# Altium PCB MiniPC.PcbDoc (part 6 of 23) (continued)
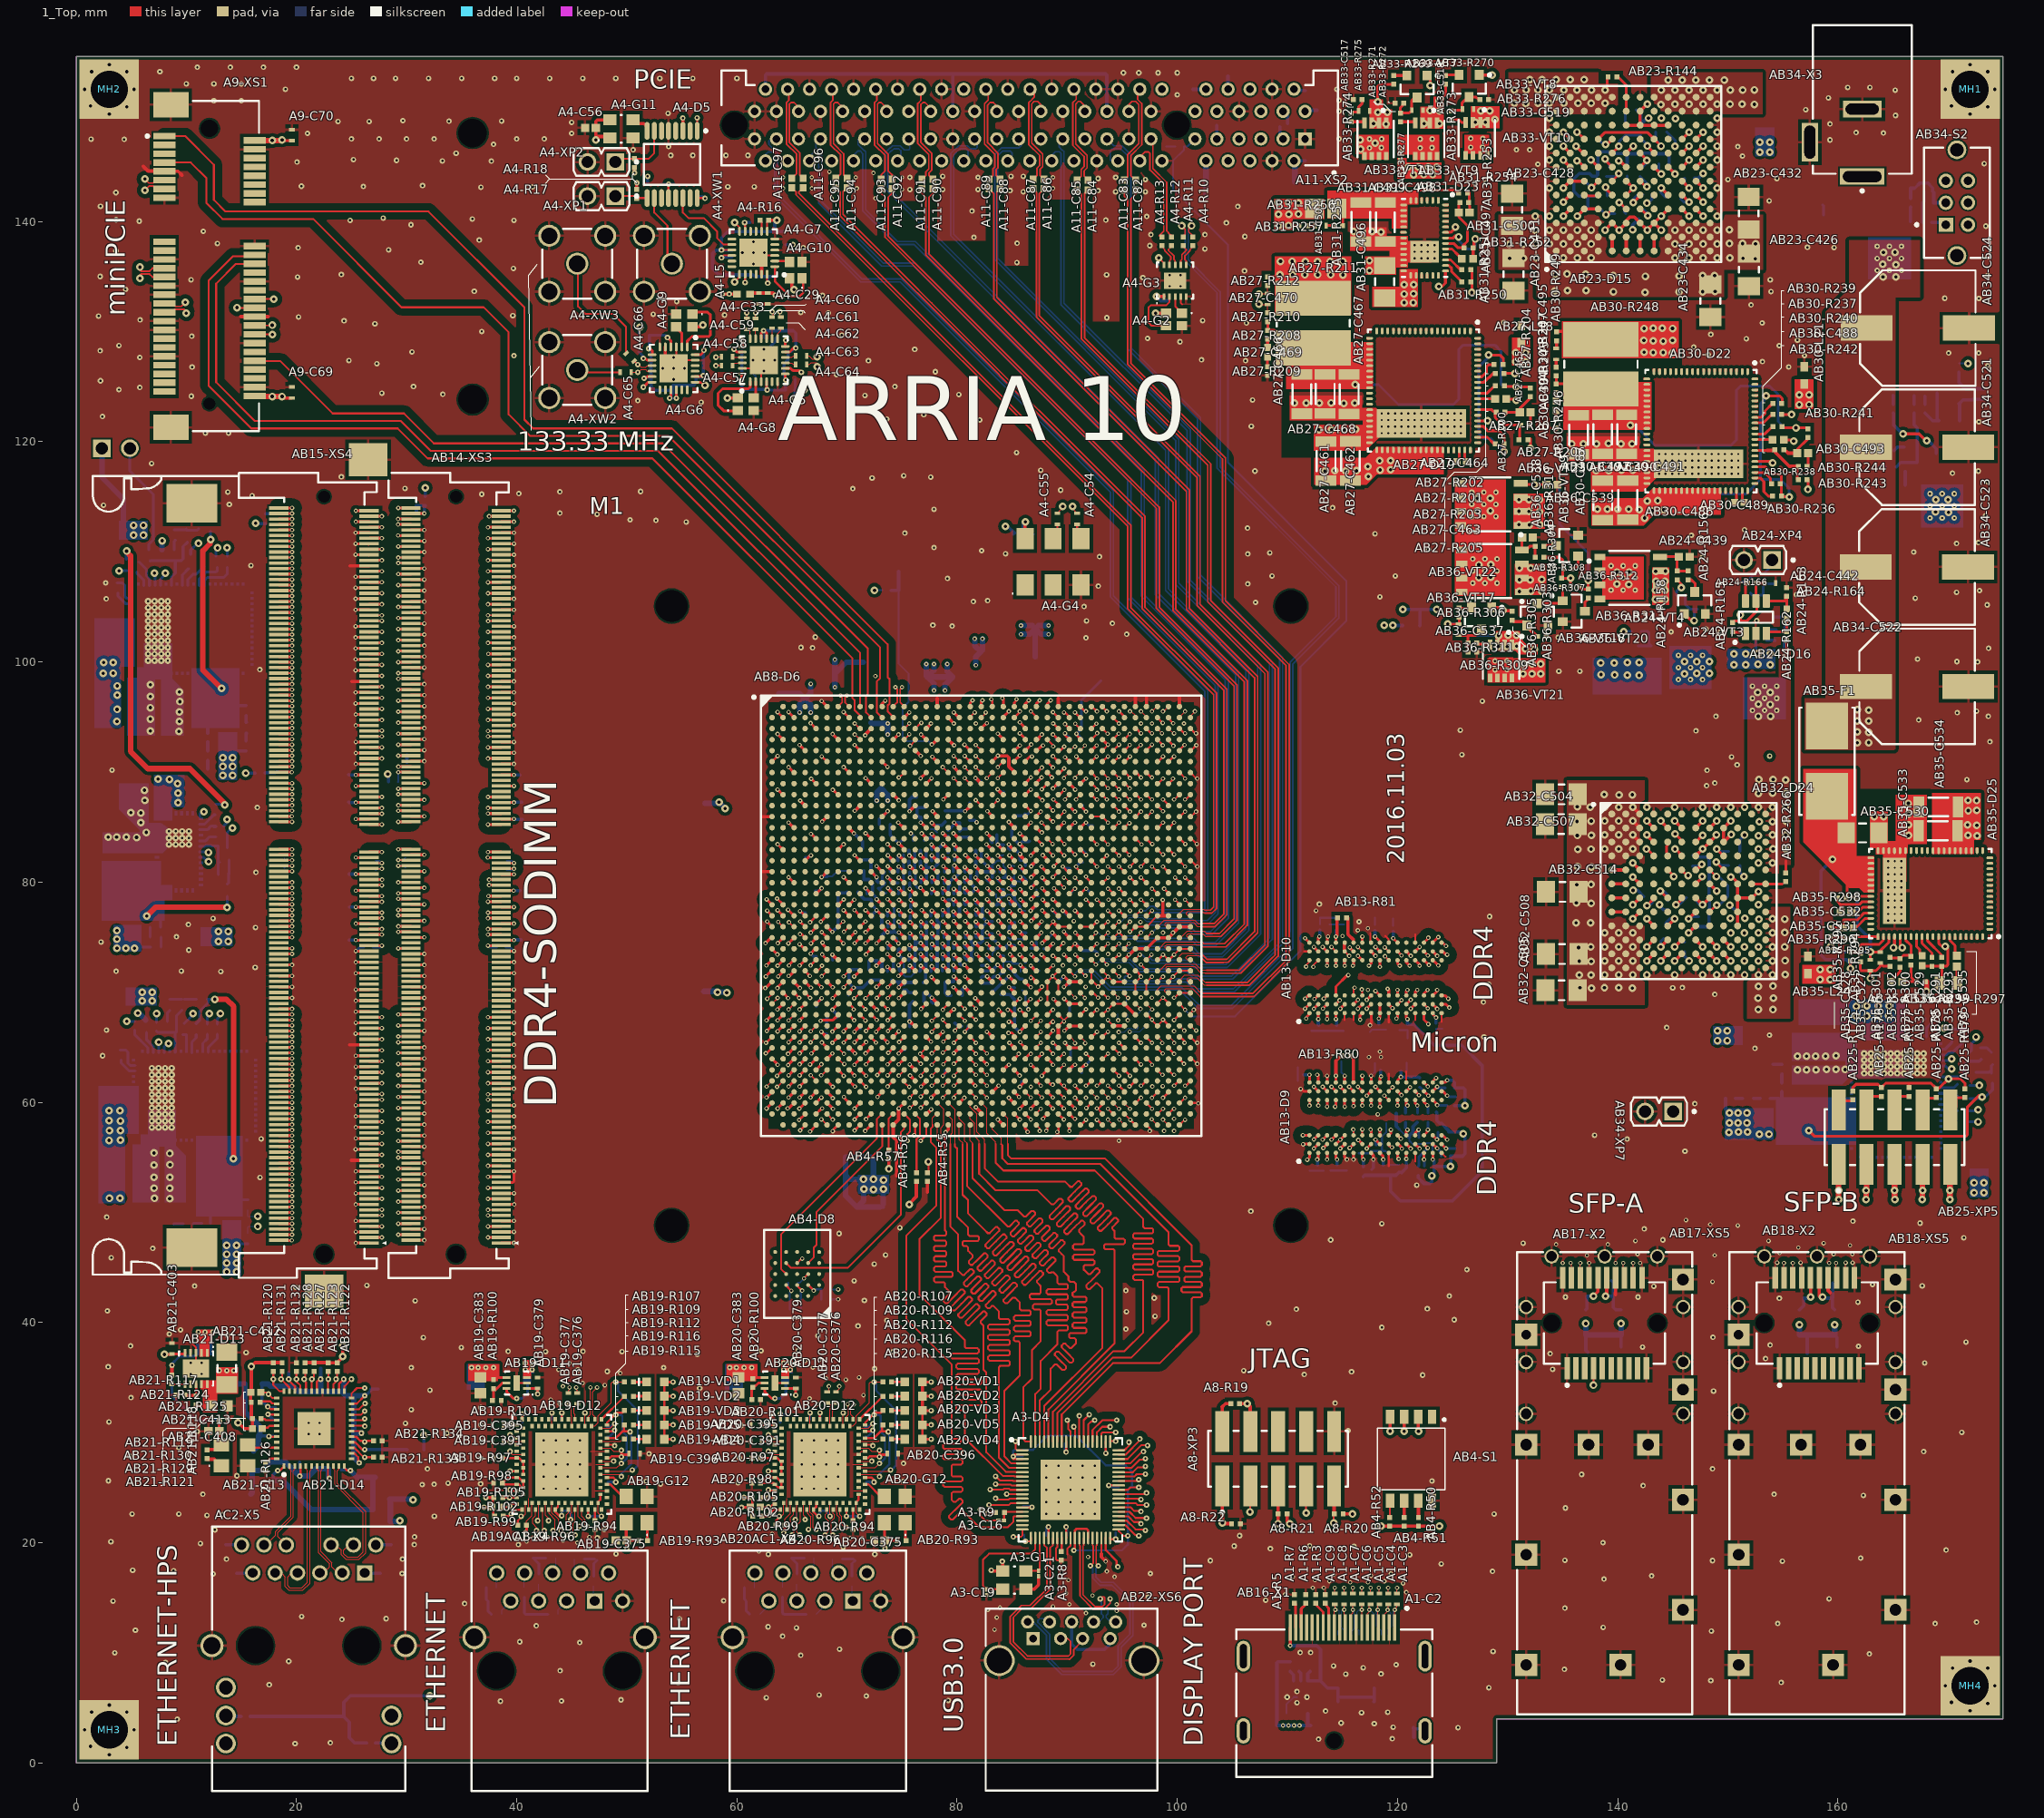
[diagram p0: 1_Top view]
## Part data (continued)
  AB2-C277: New_des=C277, Old_des=C432
  AB2-C278: New_des=C278, Old_des=C473
  AB2-C279: New_des=C279, Old_des=C453
  AB2-C280: New_des=C280, Old_des=C400
  AB2-C282: New_des=C282, Old_des=C433
  AB2-C283: New_des=C283, Old_des=C474
  AB2-C284: New_des=C284, Old_des=C454
  AB2-C285: New_des=C285, Old_des=C401
  AB2-C287: New_des=C287, Old_des=C434
  AB2-C288: New_des=C288, Old_des=C475
  AB2-C289: New_des=C289, Old_des=C455
  AB2-C290: New_des=C290, Old_des=C402
  AB2-C292: New_des=C292, Old_des=C435
  AB2-C293: New_des=C293, Old_des=C476
  AB2-C294: New_des=C294, Old_des=C456
  AB2-C295: New_des=C295, Old_des=C403
  AB2-C297: New_des=C297, Old_des=C436
  AB2-C298: New_des=C298, Old_des=C477
  AB2-C299: New_des=C299, Old_des=C457
  AB2-C300: New_des=C300, Old_des=C404
  AB2-C302: New_des=C302, Old_des=C437
  AB2-C303: New_des=C303, Old_des=C478
  AB2-C304: New_des=C304, Old_des=C405
  AB2-C306: New_des=C306, Old_des=C438
  AB2-C307: New_des=C307, Old_des=C479
  AB2-C308: New_des=C308, Old_des=C406
  AB2-C310: New_des=C310, Old_des=C439
  AB2-C311: New_des=C311, Old_des=C464
  AB2-C312: New_des=C312, Old_des=C440
  AB2-C313: New_des=C313, Old_des=C441
  AB2-C314: New_des=C314, Old_des=C442
  AB2-C315: New_des=C315, Old_des=C443
  AB2-C316: New_des=C316, Old_des=C458
  AB2-C317: New_des=C317, Old_des=C463
  AB2-C318: New_des=C318, Old_des=C480
  AB2-C319: New_des=C319, Old_des=C459
  AB2-C320: New_des=C320, Old_des=C444
  AB3-C321: New_des=C321, Old_des=C118
  AB3-C322: New_des=C322, Old_des=C120
  AB3-C323: New_des=C323, Old_des=C122
  AB3-C324: New_des=C324, Old_des=C124
  AB3-C325: New_des=C325, Old_des=C126
  AB3-C326: New_des=C326, Old_des=C128
  AB3-C327: New_des=C327, Old_des=C130
  AB3-C328: New_des=C328, Old_des=C119
  AB3-C329: New_des=C329, Old_des=C121
  AB3-C330: New_des=C330, Old_des=C123
  AB3-C331: New_des=C331, Old_des=C125
  AB3-C332: New_des=C332, Old_des=C127
  AB3-C333: New_des=C333, Old_des=C129
  AB13-C337: New_des=C337, Old_des=C267
  AB13-C338: New_des=C338, Old_des=C266
  AB13-C339: New_des=C339, Old_des=C282
  AB13-C340: New_des=C340, Old_des=C269
  AB13-C341: New_des=C341, Old_des=C271
  AB13-C342: New_des=C342, Old_des=C273
  AB13-C343: New_des=C343, Old_des=C275
  AB13-C344: New_des=C344, Old_des=C277
  AB13-C345: New_des=C345, Old_des=C279
  AB13-C346: New_des=C346, Old_des=C281
  AB13-C347: New_des=C347, Old_des=C264
  AB13-C348: New_des=C348, Old_des=C265
  AB13-C349: New_des=C349, Old_des=C268
  AB13-C350: New_des=C350, Old_des=C270
  AB13-C351: New_des=C351, Old_des=C272
  AB13-C352: New_des=C352, Old_des=C274
  AB13-C353: New_des=C353, Old_des=C276
  AB13-C354: New_des=C354, Old_des=C278
  AB13-C355: New_des=C355, Old_des=C280
A3-D4: library part E127, "32 Bit USB 3.0 to FIFO Bridge, 5 Gbps, 3 to 3.6 V, -40 to 85 degC, 76-Pin QFN, Pb-Free", ComponentLink1Description="Manufacturer URL", ComponentLink1URL=http://www.ftdichip.com/, ComponentLink2Description=Datasheet, ComponentLink2URL=http://www.ftdichip.com/Support/Documents/DataSheets/ICs/DS_FT600Q-FT601Q%20IC%20Datasheet.pdf, DatasheetVersion="Rev. 1.02, 02/2016", Mounting Technology="Surface Mount", New_des=D4, Old_des=U33, PackageDescription="76-Pin Quad Flat No-lead Package, Body 9 x 9 mm, Pitch 0.4 mm, Thermal Pad 5.45 x 5.45 mm", PackageReference=QFN-76, RoHSCompliant=false, UID=E127, Тип элемента="Преобразователь интерфейсов"
A3-G1 A4-G11: library part E128, "CMOS Compatible SMD Crystal Oscillator, 33 MHz, 2.5 V, -20 to 70 degC, 4-Pin SMD, RoHS, Tape and Reel", Manufacturer=Abracon, ComponentLink1Description="Manufacturer URL", ComponentLink1URL=http://www.abracon.com/, ComponentLink2Description=Datasheet, ComponentLink2URL=http://www.abracon.com/Oscillators/ASE2series.pdf, DatasheetVersion="Rev. Aug-14", Mounting Technology="Surface Mount", PackageDescription="4-Pin Surface Mount Device, Body 3.2 x 2.5 mm, Pitch 2.1 mm", PackageReference=ASE2, PartNumber=ASE2-33.000MHZ-ET, UID=E128, Тип элемента=Генератор
  A3-G1: New_des=G1, Old_des=X1
  A4-G11: New_des=G11, Old_des=Y5
A3-R8 AB32-R262 AB32-R264 AB32-R265: library part E85, "Chip Resistor, 1.65 KOhm, +/- 1%, 100 mW, -55 to 155 degC, 0402 (1005 Metric), RoHS, Tape and Reel", Case\/Package=0402, Case Code (Metric)=1005, Manufacturer="Basic Passives", Max Operating Temperature="155 degC", Min Operating Temperature="-55 degC", Package Quantity=10000, Power Rating="100 mW", Resistance="1.65 KOhm", Tolerance=1%, Voltage Rating="50 V", Case Code (Imperial)=0402, ComponentLink1Description="Manufacturer URL", ComponentLink1URL=http://www.panasonic.com/, ComponentLink2Description=Datasheet, ComponentLink2URL=http://industrial.panasonic.com/cdbs/www-data/pdf/RDA0000/AOA0000C86.pdf, DatasheetVersion=04/2015, Height="0.35 mm", Length="1 mm", Mount="Surface Mount", Mounting Technology="Surface Mount", PackageDescription="2-Pin Surface Mount Device, Body 1 x 0.5 mm", PackageReference=0402, Packaging="Tape and Reel", PartNumber=ERJ-2RKF1651X, Pins=2, REACH SVHC=Yes, RoHSCompliant=true, UID=E85, Width="0.5 mm", Тип элемента=Резистор
  A3-R8: New_des=R8, Old_des=R342
  AB32-R262: New_des=R262, Old_des=R150
  AB32-R264: New_des=R263, Old_des=R153
  AB32-R265: New_des=R264, Old_des=R154
A3-R9 AB4-R53 AB4-R54 AB4-R56 AB4-R57 AB4-R58 AB19-R93 AB19-R101 AB20-R93 AB20-R101 AB21-R117 AB21-R118 AB23-R140 AB23-R141 AB23-R146 AB23-R147 AB23-R148 AB23-R149 AB23-R150 AB23-R151 AB24-R153 AB24-R155 AB24-R157 AB24-R165 AB24-R166 AB25-R170 AB25-R183 AB25-R185 AB26-R190 AB26-R197 AB26-R199 AB27-R202 AB27-R210 AB27-R212 AB28-R216 AB28-R224 AB28-R227 AB29-R233 AB29-R235 AB30-R239 AB30-R247 AB30-R249 AB31-R255 AB31-R257 AB32-R263 AB32-R267 AB32-R268 AB34-R279 AB35-R294 AB35-R302 AB36-R303 AB36-R305: library part E60, "Chip Resistor, 10 KOhm, +/- 1%, 100 mW, -55 to 155 degC, 0402 (1005 Metric), RoHS, Tape and Reel", Case\/Package=0402, Case Code (Metric)=1005, Manufacturer="Basic Passives", Max Operating Temperature="155 degC", Min Operating Temperature="-55 degC", Package Quantity=10000, Power Rating="100 mW", Resistance="10 KOhm", Tolerance=1%, Voltage Rating="50 V", Case Code (Imperial)=0402, ComponentLink1Description="Manufacturer URL", ComponentLink1URL=http://www.panasonic.com/, ComponentLink2Description=Datasheet, ComponentLink2URL=http://industrial.panasonic.com/cdbs/www-data/pdf/RDA0000/AOA0000C86.pdf, DatasheetVersion=04/2015, Height="0.35 mm", Length="1 mm", Mount="Surface Mount", Mounting Technology="Surface Mount", PackageDescription="2-Pin Surface Mount Device, Body 1 x 0.5 mm", PackageReference=0402, Packaging="Tape and Reel", PartNumber=ERJ-2RKF1002X, Pins=2, Radiation Hardening=No, REACH SVHC=Yes, RoHSCompliant=true, UID=E60, Width="0.5 mm", Тип элемента=Резистор
  A3-R9: New_des=R9, Old_des=R343
  AB4-R53: New_des=R53, Old_des=R320
  AB4-R54: New_des=R54, Old_des=R322
  AB4-R56: New_des=R55, Old_des=R325
  AB4-R57: New_des=R57, Old_des=R324
  AB4-R58: New_des=R58, Old_des=R321
  AB19-R93 AB20-R93: New_des=R112, Old_des=R262
  AB19-R101 AB20-R101: New_des=R120, Old_des=R272
  AB21-R117: New_des=R136, Old_des=R316
  AB21-R118: New_des=R137, Old_des=R311
  AB23-R140: New_des=R161, Old_des=R162
  AB23-R141: New_des=R162, Old_des=R168
  AB23-R146: New_des=R164, Old_des=R165
  AB23-R147: New_des=R166, Old_des=R164
  AB23-R148: New_des=R167, Old_des=R158
  AB23-R149: New_des=R168, Old_des=R159
  AB23-R150: New_des=R169, Old_des=R160
  AB23-R151: New_des=R170, Old_des=R161
  AB24-R153: New_des=R172, Old_des=R127
  AB24-R155: New_des=R174, Old_des=R118
  AB24-R157: New_des=R176, Old_des=R119
  AB24-R165: New_des=R184, Old_des=R122
  AB24-R166: New_des=R185, Old_des=R123
  AB25-R170: New_des=R91, Old_des=R75
  AB25-R183: New_des=R104, Old_des=R65
  AB25-R185: New_des=R106, Old_des=R67
  AB26-R190: New_des=R190, Old_des=R60
  AB26-R197: New_des=R197, Old_des=R51
  AB26-R199: New_des=R199, Old_des=R53
  AB27-R202: New_des=R202, Old_des=R46
  AB27-R210: New_des=R210, Old_des=R45
  AB27-R212: New_des=R212, Old_des=R44
  AB28-R216: New_des=R217, Old_des=R33
  AB28-R224: New_des=R224, Old_des=R23
  AB28-R227: New_des=R227, Old_des=R25
  AB29-R233: New_des=R233, Old_des=R84
  AB29-R235: New_des=R235, Old_des=R82
  AB30-R239: New_des=R239, Old_des=R101
  AB30-R247: New_des=R247, Old_des=R99
  AB30-R249: New_des=R249, Old_des=R98
  AB31-R255: New_des=R255, Old_des=R106
  AB31-R257: New_des=R257, Old_des=R104
  AB32-R263: New_des=R265, Old_des=R151
  AB32-R267: New_des=R267, Old_des=R148
  AB32-R268: New_des=R268, Old_des=R147
  AB34-R279: New_des=R279, Old_des=R140
  AB35-R294: New_des=R294, Old_des=R180
  AB35-R302: New_des=R302, Old_des=R175
  AB36-R303: New_des=R303, Old_des=R9
  AB36-R305: New_des=R305, Old_des=R7
A4-C37 AB17-C371 AB17-C374 AB18-C371 AB18-C374 AB19-C378 AB20-C378 AB21-C401 AB21-C402 AB21-C404: library part E25, "Chip Capacitor, 10 uF, +/- 10%, 16 V, -55 to 85 degC, 0805 (2012 Metric), RoHS, Tape and Reel", Capacitance="10 uF", Case\/Package=0805, Case Code (Metric)=2012, Max Operating Temperature="85 degC", Min Operating Temperature="-55 degC", Package Quantity=1, Tolerance=10%, Type (Capacitors)=X5R, Voltage Rating="16 V", Case Code (Imperial)=0805, ComponentLink1Description="Manufacturer URL", ComponentLink1URL=http://www.tdk.com/, ComponentLink2Description=Datasheet, ComponentLink2URL=https://product.tdk.com/info/en/catalog/datasheets/mlcc_commercial_general_en.pdf, DatasheetVersion=03/2015, Height="0.85 mm", Length="2 mm", Mount="Surface Mount", Mounting Technology="Surface Mount", PackageDescription="2-Pin Surface Mount Device, Body 2 x 1.25 mm", PackageReference=0805, Packaging="Tape and Reel", Pins=2, REACH SVHC="No SVHC", RoHSCompliant=true, UID=E25, Voltage Rating (DC)="16 V", Width="1.25 mm", Тип элемента=Конденсатор
  A4-C37: New_des=C37, Old_des=C549
  AB17-C371 AB18-C371: New_des=C380, Old_des=C552
  AB17-C374 AB18-C374: New_des=C383, Old_des=C554
  AB19-C378 AB20-C378: New_des=C387, Old_des=C330
  AB21-C401: New_des=C410, Old_des=C370
  AB21-C402: New_des=C411, Old_des=C376
  AB21-C404: New_des=C413, Old_des=C377
A4-C56 AB19-C375 AB19-C387 AB19-C394 AB19-C399 AB19-C400 AB20-C375 AB20-C387 AB20-C394 AB20-C399 AB20-C400 AB21-C408 AB24-C436 AB24-C439 AB36-C538 AB36-C539 AC2-C540 AC2-C541 AC2-C542 AC2-C543: library part E3, "Chip Capacitor, 10 nF, +/- 10%, 50 V, -55 to 125 degC, 0402 (1005 Metric), RoHS, Tape and Reel", Capacitance="10 nF", Case\/Package=0402, Case Code (Metric)=1005, Manufacturer="Basic Passives", Max Operating Temperature="125 degC", Min Operating Temperature="-55 degC", Package Quantity=10000, Tolerance=10%, Type (Capacitors)=X7R, Voltage Rating="50 V", Case Code (Imperial)=0402, ComponentLink1Description="Manufacturer URL", ComponentLink1URL=http://www.murata.com/, ComponentLink2Description=Datasheet, ComponentLink2URL=http://search.murata.co.jp/Ceramy/image/img/A01X/G101/ENG/GRM155R71H103KA88-01.pdf, DatasheetVersion=02/2016, Height="0.5 mm", Lead Pitch=2mm, Length="1 mm", Mount="Surface Mount", Mounting Technology="Surface Mount", PackageDescription="2-Pin Surface Mount Device, Body 1 x 0.5 mm", PackageReference=0402, Packaging="Tape and Reel", PartNumber=GRM155R71H103KA88D, Pins=2, Radiation Hardening=No, REACH SVHC="No SVHC", RoHSCompliant=true, UID=E3, Voltage Rating (DC)="50 V", Width="0.5 mm", Тип элемента=Конденсатор
  A4-C56: New_des=C56, Old_des=C543
  AB19-C375 AB20-C375: New_des=C384, Old_des=C318
  AB19-C387 AB20-C387: New_des=C396, Old_des=C310
  AB19-C394 AB20-C394: New_des=C403, Old_des=C311
  AB19-C399 AB20-C399: New_des=C406, Old_des=C312
  AB19-C400 AB20-C400: New_des=C409, Old_des=C314
  AB21-C408: New_des=C417, Old_des=C366
  AB24-C436: New_des=C445, Old_des=C70
  AB24-C439: New_des=C448, Old_des=C67
  AB36-C538: New_des=C538, Old_des=C3
  AB36-C539: New_des=C539, Old_des=C2
  AC2-C540: ClassName=AB21, New_des=C540, Old_des=C364
  AC2-C541: ClassName=AB21, New_des=C541, Old_des=C363
  AC2-C542: ClassName=AB21, New_des=C542, Old_des=C362
  AC2-C543: ClassName=AB21, New_des=C543, Old_des=C365
A4-D5: library part E125, "Single-Ended Multiplexer, 2.375 to 3.465 V, -40 to 85 degC, 16-Pin TSSOP, RoHS, Tube", Manufacturer=IDT, ComponentLink1Description="Manufacturer URL", ComponentLink1URL=http://www.idt.com/, ComponentLink2Description=Datasheet, ComponentLink2URL=https://datasheet.ciiva.com/6676/idt-83054i-dst-20091106-6676576.pdf, DatasheetVersion="Rev. C", Mounting Technology="Surface Mount", New_des=D5, Old_des=U31, PackageDescription="16-Pin Thin Shrink Small Outline Package, Body 5 x 4.4 mm, Pitch 0.65 mm", PackageReference=TSSOP-16, PartNumber=ICS83054AGILF, UID=E125, Тип элемента=Мультиплексор
A4-G2 A4-G8 A4-G9 A4-G10: library part E129, "Range Crystal Unit, 25 MHz, -40 to 85 degC, 4-Pin SMD, RoHS, Tape and Reel", ComponentLink1Description="Manufacturer URL", ComponentLink1URL=https://www.eea.epson.com/, ComponentLink2Description=Datasheet, ComponentLink2URL=https://support.epson.biz/td/api/doc_check.php?dl=brief_FA-128_en.pdf, DatasheetVersion="Rev. Feb-15", Mounting Technology="Surface Mount", PackageDescription="4-Pin Surface Mount Device, Body 1.6 x 2 mm, Pitch 1.45 mm", PartNumber="FA-128 25.0000MB-C", UID=E129, Тип элемента=Генератор
  A4-G2: New_des=G2, Old_des=Y3
  A4-G8: New_des=G8, Old_des=Y1
  A4-G9: New_des=G9, Old_des=Y2
  A4-G10: New_des=G10, Old_des=Y4
A4-G3: library part E123, "PCI-Express Gen 1 Dual Output Clock Generator, 3.13 to 3.46 V, -40 to 85 degC, 10-Pin TDFN, RoHS, Tube", Manufacturer="Silicon Labs", Code_IPC=J-STD-020, Code_JEDEC=MO-229, ComponentLink1Description="Manufacturer URL", ComponentLink1URL=http://www.silabs.com/, ComponentLink2Description=Datasheet, ComponentLink2URL=http://www.silabs.com/Support%20Documents/TechnicalDocs/Si52112-A1-A2.pdf, DatasheetVersion="Rev. 1.2", Mounting Technology="Surface Mount", New_des=G3, Old_des=U29, PackageDescription="10-Pin Small Outline Non-Lead, Body 3.00 x 3.00 mm, Pitch 0.50 mm", PackageReference=TDFN-10, PartNumber=Si52112-A1-GM2, UID=E123, Тип элемента="Сдвоенный генератор"
A4-G4: library part E126, "Dual Frequency Voltage-Controlled Crystal Oscillator (VCXO), LVDS, 2.5 V, 100 KHz to 250 MHz, -40 to 85 degC, 6-Pin DFN, RoHS, Tray", Manufacturer="Silicon Labs", ComponentLink1Description="Manufacturer URL", ComponentLink1URL=http://www.silabs.com/, ComponentLink2Description=Datasheet, ComponentLink2URL=http://www.silabs.com/Support%20Documents/TechnicalDocs/Si516.pdf, DatasheetVersion="Rev. 1.0", Mounting Technology="Surface Mount", New_des=G4, Old_des=U32, PackageDescription="6-Pin Small Outline No-lead, Body 5 x 7 mm, Pitch 2.54 mm", PackageReference=DFN-6, PartNumber=516FHA000132AAG, UID=E126, Тип элемента="Сдвоенный ГУН"
A4-G5 A4-G6: library part E122, "I2C-Programmable Any-Frequency, Any-Output Quad Clock Generator, 1.8 / 2.5 / 3.3 V, 0.16 to 350 MHz Output, -40 to 85 degC, 24-Pin QFN, RoHS", Manufacturer="Silicon Labs", Code_IPC=J-STD-020, ComponentLink1Description="Manufacturer URL", ComponentLink1URL=http://www.silabs.com/, ComponentLink2Description=Datasheet, ComponentLink2URL=https://www.silabs.com/Support%20Documents/TechnicalDocs/Si5338.pdf, DatasheetVersion="Rev. 1.6", Mounting Technology="Surface Mount", PackageDescription="24-Pin Quad Flat No-lead Package, Body 4 x 4 mm, Pitch 0.5 mm", PackageReference=QFN-24, PartNumber=Si5338B-B03799-GM, UID=E122, Тип элемента="Программируемый генератор"
  A4-G5: New_des=G5, Old_des=U27
  A4-G6: New_des=G6, Old_des=U28
A4-G7: library part E124, "I2C-Programmable Any-Frequency, Any-Output Quad Clock Generator, 1.8 / 2.5 / 3.3 V, 0.16 to 200 MHz Output, -40 to 85 degC, 24-Pin QFN, RoHS", Manufacturer="Silicon Labs", Code_IPC=J-STD-020, ComponentLink1Description="Manufacturer URL", ComponentLink1URL=http://www.silabs.com/, ComponentLink2Description=Datasheet, ComponentLink2URL=https://www.silabs.com/Support%20Documents/TechnicalDocs/Si5338.pdf, DatasheetVersion="Rev. 1.6", Mounting Technology="Surface Mount", New_des=G7, Old_des=U30, PackageDescription="24-Pin Quad Flat No-lead Package, Body 4 x 4 mm, Pitch 0.5 mm", PackageReference=QFN-24, PartNumber=Si5338C-B03798-GM, UID=E124, Тип элемента="Программируемый генератор"
A4-L1: library part E46, "Chip Ferrite Bead for General Use, 220 Ohm, 450 mA, -55 to 125 degC, 1 x 0.5 x 0.55 mm SMD, Tape and Reel", DC Resistance="0.29 Ohm Max.", Manufacturer=Murata, Operating Temperature Range="-55 to 125 degC", Rated Current="450 mA", ComponentLink1Description="Manufacturer URL", ComponentLink1URL=http://www.murata.com/, ComponentLink2Description=Datasheet, ComponentLink2URL=http://www.murata.com/products/catalog/pdf/c31e.pdf, ComponentLink3Description="Package Specification", ComponentLink3URL=http://www.murata.com/products/catalog/pdf/c31e.pdf, DatasheetVersion=08/2013, Impedance (at 100 MHz)="220 Ohm +/- 25%", Mounting Technology="Surface Mount", New_des=L1, Old_des=L17, PackageDescription="2-Pin Chip, Body 1 x 0.5 mm", PackageReference=BLM15-2, Packing="Tape and Reel", PartNumber=BLM15AG221SN1J, UID=E46, Тип элемента="Ферритовый дроссель"
A4-L2 A4-L4: library part E47, "Chip Bead, 220 Ohm, +/- 25 %, 100 MHz, 300 mA, -55 to 125 degC, 0402 (1005 Metric), RoHS", Case/Package=0402, Case Code (Metric)=1005, Current Rating="200 mA", Max Current Rating="450 mA", Max Operating Temperature="125 degC", Min Operating Temperature="-55 degC", Package Quantity=10000, Resistance="220 Ohm", Tolerance=25%, Case Code (Imperial)=0402, ComponentLink1Description="Manufacturer URL", ComponentLink1URL=http://www.murata.com/, ComponentLink2Description=Datasheet, ComponentLink2URL=https://datasheet.ciiva.com/11800/0900766b811b5866-11800858.pdf, DatasheetVersion=03/2011, Height="0.5 mm", Length="1 mm", Mounting Technology="Surface Mount", PackageDescription="2-Pin Surface Mount Device, Body 1 x 0.5 mm", PartNumber=BLM15AG221SN1x, Radiation Hardening=No, REACH SVHC="No SVHC", RoHSCompliant=True, UID=E47, Width="0.5 mm", Тип элемента="Ферритовый дроссель"
  A4-L2: New_des=L2, Old_des=L18
  A4-L4: New_des=L3, Old_des=L22
A4-L3 A4-L5 A4-L6: library part E48, "SMD EMI Suppression Ferrite Bead WE-CBF, Z = 220 Ohm", ComponentLink1Description="Manufacturer Link", ComponentLink1URL=http://www.we-online.com, ComponentLink2Description=Datasheet, ComponentLink2URL=http://www.we-online.de/katalog/media/pdf/742792780.pdf, DatasheetVersion="ver 4, Jul-2009", Impedance="220 Ohm", PackageDescription="Chip Inductor, 2-Leads, Body 1.0 x 0.5 mm", PackageReference=SMD-0402, PackageVersion=2009, UID=E48, Тип элемента="Ферритовый дроссель"
  A4-L3: New_des=L4, Old_des=L19
  A4-L5: New_des=L5, Old_des=L20
  A4-L6: New_des=L6, Old_des=L21
A4-R14 A4-R15 A11-R23 AB19-R94 AB19-R96 AB19-R99 AB19-R105 AB20-R94 AB20-R96 AB20-R99 AB20-R105 AB21-R120 AB21-R122 AB21-R123 AB21-R127 AB21-R128 AB21-R129 AB21-R130 AB21-R131 AB21-R132 AB21-R133 AB21-R134: library part E99, "Chip Resistor, 4.7 KOhm, +/- 1%, 0.1 W, -55 to 155 degC, 0402 (1005 Metric), RoHS, Tape and Reel", Case\/Package=0402, Case Code (Metric)=1005, Max Operating Temperature="155 degC", Min Operating Temperature="-55 degC", Package Quantity=1, Power Rating="100 mW", Resistance="4.7 KOhm", Tolerance=1%, Voltage Rating="50 V", Case Code (Imperial)=0402, ComponentLink1Description="Manufacturer URL", ComponentLink1URL=http://www.panasonic.com/, ComponentLink2Description=Datasheet, ComponentLink2URL=http://industrial.panasonic.com/cdbs/www-data/pdf/RDA0000/AOA0000C86.pdf, DatasheetVersion=04/2015, Height="0.35 mm", Length="1 mm", Mount="Surface Mount", Mounting Technology="Surface Mount", PackageDescription="2-Pin Surface Mount Device, Body 1 x 0.5 mm", PackageReference=0402, Packaging="Cut Tape", PartNumber=ERJ-2RKF4701X, Pins=2, Radiation Hardening=No, REACH SVHC=Yes, RoHSCompliant=true, UID=E99, Width="0.5 mm", Тип элемента=Резистор
  A4-R14: New_des=R14, Old_des=R333
  A4-R15: New_des=R15, Old_des=R334
  A11-R23: New_des=R23, Old_des=R332
  AB19-R94 AB20-R94: New_des=R113, Old_des=R264
  AB19-R96 AB20-R96: New_des=R115, Old_des=R263
  AB19-R99 AB20-R99: New_des=R118, Old_des=R259
  AB19-R105 AB20-R105: New_des=R124, Old_des=R261
  AB21-R120: New_des=R139, Old_des=R302
  AB21-R122: New_des=R141, Old_des=R303
  AB21-R123: New_des=R143, Old_des=R306
  AB21-R127: New_des=R145, Old_des=R308
  AB21-R128: New_des=R147, Old_des=R310
  AB21-R129: New_des=R148, Old_des=R313
  AB21-R130: New_des=R149, Old_des=R305
  AB21-R131: New_des=R150, Old_des=R312
  AB21-R132: New_des=R151, Old_des=R309
  AB21-R133: New_des=R152, Old_des=R307
  AB21-R134: New_des=R153, Old_des=R304
A4-R16 A4-R17 A4-R18 A8-R19 A8-R20 A8-R21 A8-R22 AB4-R50 AB4-R51 AB4-R52 AB21-R124 AB24-R156 AB24-R164 AB34-R278 AB34-R283 AB36-R310 AB36-R313: library part E59, "Chip Resistor, 1 KOhm, +/- 1%, 100 mW, -55 to 155 degC, 0402 (1005 Metric), RoHS, Tape and Reel", Case\/Package=0402, Case Code (Metric)=1005, Manufacturer="Basic Passives", Max Operating Temperature="155 degC", Min Operating Temperature="-55 degC", Package Quantity=10000, Power Rating="100 mW", Resistance="1 KOhm", Tolerance=1%, Voltage Rating="50 V", Case Code (Imperial)=0402, ComponentLink1Description="Manufacturer URL", ComponentLink1URL=http://www.panasonic.com/, ComponentLink2Description=Datasheet, ComponentLink2URL=http://industrial.panasonic.com/cdbs/www-data/pdf/RDA0000/AOA0000C86.pdf, DatasheetVersion=04/2015, Height="0.35 mm", Length="1 mm", Mount="Surface Mount", Mounting Technology="Surface Mount", PackageDescription="2-Pin Surface Mount Device, Body 1 x 0.5 mm", PackageReference=0402, Packaging="Tape and Reel", PartNumber=ERJ-2RKF1001X, Pins=2, Radiation Hardening=No, REACH SVHC=Yes, RoHSCompliant=true, UID=E59, Width="0.5 mm", Тип элемента=Резистор
  A4-R16: New_des=R16, Old_des=R339
  A4-R17: New_des=R17, Old_des=R340
  A4-R18: New_des=R18, Old_des=R341
  A8-R19: New_des=R19, Old_des=R329
  A8-R20: New_des=R20, Old_des=R330
  A8-R21: New_des=R21, Old_des=R331
  A8-R22: New_des=R22, Old_des=R328
  AB4-R50: New_des=R50, Old_des=R319
  AB4-R51: New_des=R51, Old_des=R318
  AB4-R52: New_des=R52, Old_des=R317
  AB21-R124: New_des=R142, Old_des=R315
  AB24-R156: New_des=R175, Old_des=R117
  AB24-R164: New_des=R183, Old_des=R121
  AB34-R278: New_des=R278, Old_des=R139
  AB34-R283: New_des=R283, Old_des=R138
  AB36-R310: New_des=R311, Old_des=R11
  AB36-R313: New_des=R313, Old_des=R6
A4-XP1 A4-XP2 AB24-XP4 AB28-XP6 AB34-XP7: library part E32, "Male Header, Pitch 2.54 mm, 1 x 2 Position, Height 8.54 mm, Tail Length 3 mm, -40 to 105 degC, RoHS, Bulk", Manufacturer="Wuerth Elektronik", ComponentLink1Description="Manufacturer URL", ComponentLink1URL=https://www.we-online.com/, ComponentLink2Description=Datasheet, ComponentLink2URL=http://katalog.we-online.de/em/datasheet/6130xx11121.pdf, DatasheetVersion="Rev. J", Mounting Technology="Through Hole", PackageDescription="Male Header, Pitch 2.54 mm, 1 x 2 Position, Height 8.54 mm, Tail Length 3 mm", PackageReference=61300211121, PartNumber="613 002 111 21", UID=E32, Тип элемента=Соединитель
  A4-XP1: New_des=XP1, Old_des=J18
  A4-XP2: New_des=XP2, Old_des=J19
  AB24-XP4: New_des=XP5, Old_des=J3
  AB28-XP6: New_des=XP6, Old_des=J1
  AB34-XP7: New_des=XP7, Old_des=J5
A4-XW1 A4-XW2 A4-XW3: library part E42, "SMA Connector, Pitch 2.54 mm, 1 Position, Height 9.5 mm, Tail Length 4 mm, RoHS", Manufacturer="Lighthorse Technologies Inc.", ComponentLink1Description="Manufacturer URL", ComponentLink1URL=http://www.rfconnector.com, ComponentLink2Description=Datasheet, ComponentLink2URL=http://rfconnector.com/sheets/SASF54GT.pdf, DatasheetVersion="Rev. May-99", Mounting Technology="Through Hole", PackageDescription="SMA Connector, Pitch 2.54 mm, 1 Position, Height 9.5 mm, Tail Length 4 mm", PackageReference=LTI-SASF54GT, PartNumber=LTI-SASF54GT, UID=E42, Тип элемента="Соединитель ВЧ"
  A4-XW1: New_des=XW1, Old_des=J17
  A4-XW2: New_des=XW2, Old_des=J15
  A4-XW3: New_des=XW3, Old_des=J16
A8-XP3 AB25-XP5: library part E39, "Male Header, Pitch 2.54 mm, 2 x 5 Position, Height 9.65 mm, -55 to 105 degC, RoHS, Tape and Reel", Max Operating Temperature="105 degC", Min Operating Temperature="-55 degC", ComponentLink1Description="Manufacturer URL", ComponentLink1URL=http://www.samtec.com/, ComponentLink2Description=Datasheet, ComponentLink2URL=http://suddendocs.samtec.com/catalog_english/tsm.pdf, ComponentLink3Description="Package Specification", ComponentLink3URL=http://suddendocs.samtec.com/prints/tsm-dv-footprint.pdf, DatasheetVersion="Rev. 31DEC15", Height="9.65 mm", Length="12.7 mm", Mount="Surface Mount", Mounting Technology="Surface Mount", PackageDescription="Male Header, Pitch 2.54 mm, 2 x 5 Position, Height 9.65 mm", Packaging="Tape and Reel", PartNumber=TSM-105-01-T-DV-TR, Pins=10, Radiation Hardening=No, REACH SVHC="No SVHC", RoHSCompliant=True, UID=E39, Тип элемента=Соединитель
  A8-XP3: New_des=XP3, Old_des=J12
  AB25-XP5: New_des=XP4, Old_des=J2
A9-XS1: library part E40, "Board-to-Board Connector, SMT, Right Angle, Pitch 0.8mm, 52-Position, Female", Package Reference=BTB-SM0-8-2H52F, ClassName="Board Template Connector", ComponentLink1Description="Manufacturer URL", ComponentLink1URL=https://www.te.com/, ComponentLink2Description=Datasheet, ComponentLink2URL=https://www.te.com/commerce/DocumentDelivery/DDEController?Action=showdoc&DocId=Customer+Drawing%7F292443%7FC1%7Fpdf%7FEnglish%7FENG_CD_292443_C1.pdf%7F292443-1, Datasheet Version=Oct-2006, Mating Connector=PCIeMini-CN-2S-M-R52, New_des=XS1, Old_des=J13, Publisher=Altium, System=Connector, UID=E40, Тип элемента=Соединитель
A11-C71 AB19-C381 AB20-C381 AB21-C405 AB21-C409 AB21-C412 AB21-C418 AB21-C419 AB21-C422 AB23-C423 AB23-C424 AB25-C443 AB25-C444 AB26-C452 AB26-C453 AB28-C471 AB28-C472 AB29-C480 AB31-C496 AB32-C502 AB32-C503 AB35-C530: library part E5, "Chip Capacitor, 22 uF, +/- 10%, 25 V, -55 to 85 degC, 1206 (3216 Metric), RoHS, Tape and Reel", Capacitance="22 uF", Case\/Package=1206, Case Code (Metric)=3216, Max Operating Temperature="85 degC", Min Operating Temperature="-55 degC", Package Quantity=2000, Tolerance=10%, Type (Capacitors)=X5R, Voltage Rating="25 V", Case Code (Imperial)=1206, ComponentLink1Description="Manufacturer URL", ComponentLink1URL=http://www.murata.com/, ComponentLink2Description=Datasheet, ComponentLink2URL=http://search.murata.co.jp/Ceramy/image/img/A01X/G101/ENG/GRM31CR61E226KE15-01.pdf, DatasheetVersion=03/2016, Height="1.6 mm", Length="3.2 mm", Mount="Surface Mount", Mounting Technology="Surface Mount", PackageDescription="2-Pin Surface Mount Device, Body 3.2 x 1.6 mm", PackageReference=1206, Packaging="Tape and Reel", PartNumber=GRM31CR61E226KE15L, Pins=2, Radiation Hardening=No, REACH SVHC="No SVHC", RoHSCompliant=true, UID=E5, Voltage Rating (DC)="25 V", Width="1.6 mm", Тип элемента=Конденсатор
  A11-C71: New_des=C71, Old_des=C500
  AB19-C381 AB20-C381: New_des=C391, Old_des=C328
  AB21-C405: New_des=C414, Old_des=C385
  AB21-C409: New_des=C418, Old_des=C378
  AB21-C412: New_des=C421, Old_des=C374
  AB21-C418: New_des=C427, Old_des=C371
  AB21-C419: New_des=C428, Old_des=C381
  AB21-C422: New_des=C431, Old_des=C367
  AB23-C423: New_des=C432, Old_des=C99
  AB23-C424: New_des=C433, Old_des=C100
  AB25-C443: New_des=C363, Old_des=C37
  AB25-C444: New_des=C364, Old_des=C38
  AB26-C452: New_des=C452, Old_des=C28
  AB26-C453: New_des=C453, Old_des=C29
  AB28-C471: New_des=C471, Old_des=C9
  AB28-C472: New_des=C472, Old_des=C10
  AB29-C480: New_des=C480, Old_des=C45
  AB31-C496: New_des=C496, Old_des=C61
  AB32-C502: New_des=C502, Old_des=C85
  AB32-C503: New_des=C503, Old_des=C86
  AB35-C530: New_des=C530, Old_des=C116
A11-C81 AB1-C106 AB1-C107 AB1-C108 AB1-C109 AB1-C120 AB1-C121 AB1-C132 AB1-C133 AB1-C144 AB1-C145 AB1-C156 AB1-C157 AB1-C167 AB1-C168 AB1-C178 AB1-C179 AB1-C188 AB1-C189 AB2-C231 AB23-C425 AB23-C426 AB23-C428 AB23-C429 AB23-C431 AB23-C432 AB23-C434 AB32-C504 AB32-C505 AB32-C507 AB32-C508 AB32-C509 AB32-C510 AB32-C512 AB32-C514: library part E14, "Chip Capacitor, 100 uF, +/- 20%, 6.3 V, -55 to 85 degC, 1206 (3216 Metric), RoHS, Tape and Reel", Capacitance="100 uF", Case\/Package=1206, Case Code (Metric)=3216, Max Operating Temperature="85 degC", Min Operating Temperature="-55 degC", Package Quantity=2000, Tolerance=20%, Type (Capacitors)=X5R, Voltage Rating="6.3 V", Case Code (Imperial)=1206, ComponentLink1Description="Manufacturer URL", ComponentLink1URL=http://www.murata.com/, ComponentLink2Description=Datasheet, ComponentLink2URL=http://psearch.en.murata.com/capacitor/product/GRM31CR60J107ME39%23.pdf, DatasheetVersion=09/2016, Height="1.6 mm", Length="3.2 mm", Mount="Surface Mount", Mounting Technology="Surface Mount", PackageDescription="2-Pin Surface Mount Device, Body 3.2 x 1.6 mm", PackageReference=1206, Packaging="Tape and Reel", PartNumber=GRM31CR60J107ME39L, Pins=2, Radiation Hardening=No, REACH SVHC="No SVHC", RoHSCompliant=true, UID=E14, Voltage Rating (DC)="6.3 V", Width="1.6 mm", Тип элемента=Конденсатор
  A11-C81: New_des=C81, Old_des=C509
  AB1-C106: New_des=C98, Old_des=C132
  AB1-C107: New_des=C99, Old_des=C140
  AB1-C108: New_des=C108, Old_des=C142
  AB1-C109: New_des=C109, Old_des=C161
  AB1-C120: New_des=C112, Old_des=C133
  AB1-C121: New_des=C113, Old_des=C141
  AB1-C132: New_des=C124, Old_des=C134
  AB1-C133: New_des=C125, Old_des=C147
  AB1-C144: New_des=C136, Old_des=C135
  AB1-C145: New_des=C137, Old_des=C148
  AB1-C156: New_des=C148, Old_des=C136
  AB1-C157: New_des=C149, Old_des=C149
  AB1-C167: New_des=C159, Old_des=C137
  AB1-C168: New_des=C160, Old_des=C150
  AB1-C178: New_des=C170, Old_des=C138
  AB1-C179: New_des=C171, Old_des=C151
  AB1-C188: New_des=C180, Old_des=C139
  AB1-C189: New_des=C181, Old_des=C152
  AB2-C231: New_des=C231, Old_des=C423
  AB23-C425: New_des=C434, Old_des=C96
  AB23-C426: New_des=C435, Old_des=C102
  AB23-C428: New_des=C437, Old_des=C97
  AB23-C429: New_des=C438, Old_des=C103
  AB23-C431: New_des=C440, Old_des=C98
  AB23-C432: New_des=C441, Old_des=C104
  AB23-C434: New_des=C443, Old_des=C105
  AB32-C504: New_des=C504, Old_des=C82
  AB32-C505: New_des=C505, Old_des=C89
  AB32-C507: New_des=C507, Old_des=C83
  AB32-C508: New_des=C508, Old_des=C90
  AB32-C509: New_des=C509, Old_des=C84
  AB32-C510: New_des=C510, Old_des=C91
  AB32-C512: New_des=C512, Old_des=C92
  AB32-C514: New_des=C514, Old_des=C93
A11-C82 A11-C83 A11-C84 A11-C85 A11-C86 A11-C87 A11-C88 A11-C89 A11-C90 A11-C91 A11-C92 A11-C93 A11-C94 A11-C95 A11-C96 A11-C97 AB25-C446 AB25-C450 AB26-C455 AB26-C459 AB27-C464 AB27-C469 AB28-C474 AB28-C478 AB30-C489 AB30-C494 AB35-C531: library part E7, "Chip Capacitor, 220 nF, +/- 10%, 10 V, -55 to 85 degC, 0402 (1005 Metric), RoHS, Tape and Reel", Capacitance="220 nF", Case\/Package=0402, Case Code (Metric)=1005, Manufacturer="Basic Passives", Max Operating Temperature="85 degC", Min Operating Temperature="-55 degC", Package Quantity=1, Tolerance=10%, Type (Capacitors)=X5R, Voltage Rating="10 V", Case Code (Imperial)=0402, ComponentLink1Description="Manufacturer URL", ComponentLink1URL=http://www.murata.com/, ComponentLink2Description=Datasheet, ComponentLink2URL=http://search.murata.co.jp/Ceramy/image/img/A01X/G101/ENG/GRM155R61A224KE19-01.pdf, DatasheetVersion=03/2016, Height="0.5 mm", Length="1 mm", Mount="Surface Mount", Mounting Technology="Surface Mount", PackageDescription="2-Pin Surface Mount Device, Body 1 x 0.5 mm", PackageReference=0402, Packaging="Tape and Reel", PartNumber=GRM155R61A224KE19D, Pins=2, Radiation Hardening=No, REACH SVHC="No SVHC", RoHSCompliant=true, UID=E7, Voltage Rating (DC)="10 V", Width="0.5 mm", Тип элемента=Конденсатор
  A11-C82: New_des=C82, Old_des=C484
  A11-C83: New_des=C83, Old_des=C485
  A11-C84: New_des=C84, Old_des=C486
  A11-C85: New_des=C85, Old_des=C487
  A11-C86: New_des=C86, Old_des=C488
  A11-C87: New_des=C87, Old_des=C489
  A11-C88: New_des=C88, Old_des=C490
  A11-C89: New_des=C89, Old_des=C491
  A11-C90: New_des=C90, Old_des=C492
  A11-C91: New_des=C91, Old_des=C493
  A11-C92: New_des=C92, Old_des=C494
  A11-C93: New_des=C93, Old_des=C495
  A11-C94: New_des=C94, Old_des=C496
  A11-C95: New_des=C95, Old_des=C497
  A11-C96: New_des=C96, Old_des=C498
  A11-C97: New_des=C97, Old_des=C499
  AB25-C446: New_des=C366, Old_des=C43
  AB25-C450: New_des=C370, Old_des=C41
  AB26-C455: New_des=C455, Old_des=C34
  AB26-C459: New_des=C459, Old_des=C32
  AB27-C464: New_des=C464, Old_des=C25
  AB27-C469: New_des=C469, Old_des=C16
  AB28-C474: New_des=C474, Old_des=C15
  AB28-C478: New_des=C478, Old_des=C13
  AB30-C489: New_des=C489, Old_des=C59
  AB30-C494: New_des=C494, Old_des=C50
  AB35-C531: New_des=C531, Old_des=C115
A11-XS2: library part E41, "Female Header, Pitch 1 mm, 98 Positions, 4 Rows, Height 11 mm, Tail Length 2.31 mm, -55 to 125 degC, RoHS", Manufacturer=Samtec, ComponentLink1Description="Manufacturer URL", ComponentLink1URL=http://www.samtec.com/, ComponentLink2Description=Datasheet, ComponentLink2URL=http://suddendocs.samtec.com/catalog_english/pcie.pdf, ComponentLink3Description="Package Specification", ComponentLink3URL=http://suddendocs.samtec.com/prints/pcie-xxx-02-x-d-th-footprint.pdf, DatasheetVersion="Rev. 21JAN16", Mounting Technology="Through Hole", New_des=XS2, Old_des=J14, PackageDescription="Female Header, Pitch 1 mm, 98 Positions, 4 Rows, Height 11 mm, Tail Length 2.31 mm", PackageReference=PCIE-098-02-F-D-TH, PartNumber=PCIE-098-02-F-D-TH, UID=E41, Тип элемента=Соединитель
AB2-C230: library part E26, "Tantalum Capacitor, 330 uF, +/- 20%, 2.5 V, -55 to 105 degC, 2-Pin Molded, RoHS, Tape and Reel", Capacitance="330 uF", Case/Package=1411, Max Operating Temperature="105 degC", Min Operating Temperature="-55 degC", Package Quantity=2000, ComponentLink1Description="Manufacturer URL", ComponentLink1URL=http://www.kemet.com/, ComponentLink2Description=Datasheet, ComponentLink2URL=http://capacitoredge.kemet.com/capedge2/DataSheet?pn=T520B337M2R5ATE045, DatasheetVersion=07/2016, Height="2.1 mm", Length="3.5 mm", Mount="Surface Mount", Mounting Technology="Surface Mount", New_des=C230, Old_des=C390, PackageDescription="2-Pin Surface Mount Device, Body 3.5 x 2.8 mm", Packaging="Tape and Reel", PartNumber=T520B337M2R5ATE045, Radiation Hardening=No, RoHSCompliant=True, UID=E26, Width="2.8 mm", Тип элемента="Конденсатор поляризованный"
AB2-C233 AB2-C239 AB2-C245 AB2-C251 AB2-C256 AB2-C261 AB2-C266 AB2-C271 AB2-C276 AB2-C281 AB2-C286 AB2-C291 AB2-C296 AB2-C301 AB2-C305 AB2-C309: library part E27, "Chip Capacitor, 4.7 uF, +/- 20%, 6.3 V, -55 to 85 degC, 0402 (1005 Metric), RoHS, Tape and Reel", Capacitance="4.7 uF", Case\/Package=0402, Case Code (Metric)=1005, Manufacturer="Basic Passives", Max Operating Temperature="85 degC", Min Operating Temperature="-55 degC", Package Quantity=1, Tolerance=20%, Type (Capacitors)=X5R, Voltage Rating="6.3 V", Case Code (Imperial)=0402, ComponentLink1Description="Manufacturer URL", ComponentLink1URL=http://www.murata.com/, ComponentLink2Description=Datasheet, ComponentLink2URL=http://search.murata.co.jp/Ceramy/image/img/A01X/G101/ENG/GRM155R60J475ME87-01.pdf, DatasheetVersion=03/2016, Height="0.5 mm", Length="0.039 inch", Mount="Surface Mount", Mounting Technology="Surface Mount", PackageDescription="2-Pin Surface Mount Device, Body 1 x 0.5 mm", PackageReference=0402, Packaging="Tape and Reel", PartNumber=GRM155R60J475ME87D, Pins=2, Radiation Hardening=No, REACH SVHC="No SVHC", RoHSCompliant=true, UID=E27, Voltage Rating (DC)="6.3 V", Width="0.02 inch", Тип элемента=Конденсатор
  AB2-C233: New_des=C233, Old_des=C407
  AB2-C239: New_des=C239, Old_des=C408
  AB2-C245: New_des=C245, Old_des=C409
  AB2-C251: New_des=C251, Old_des=C410
  AB2-C256: New_des=C256, Old_des=C411